# KiCad board fercus-right.kicad_pcb (continued)
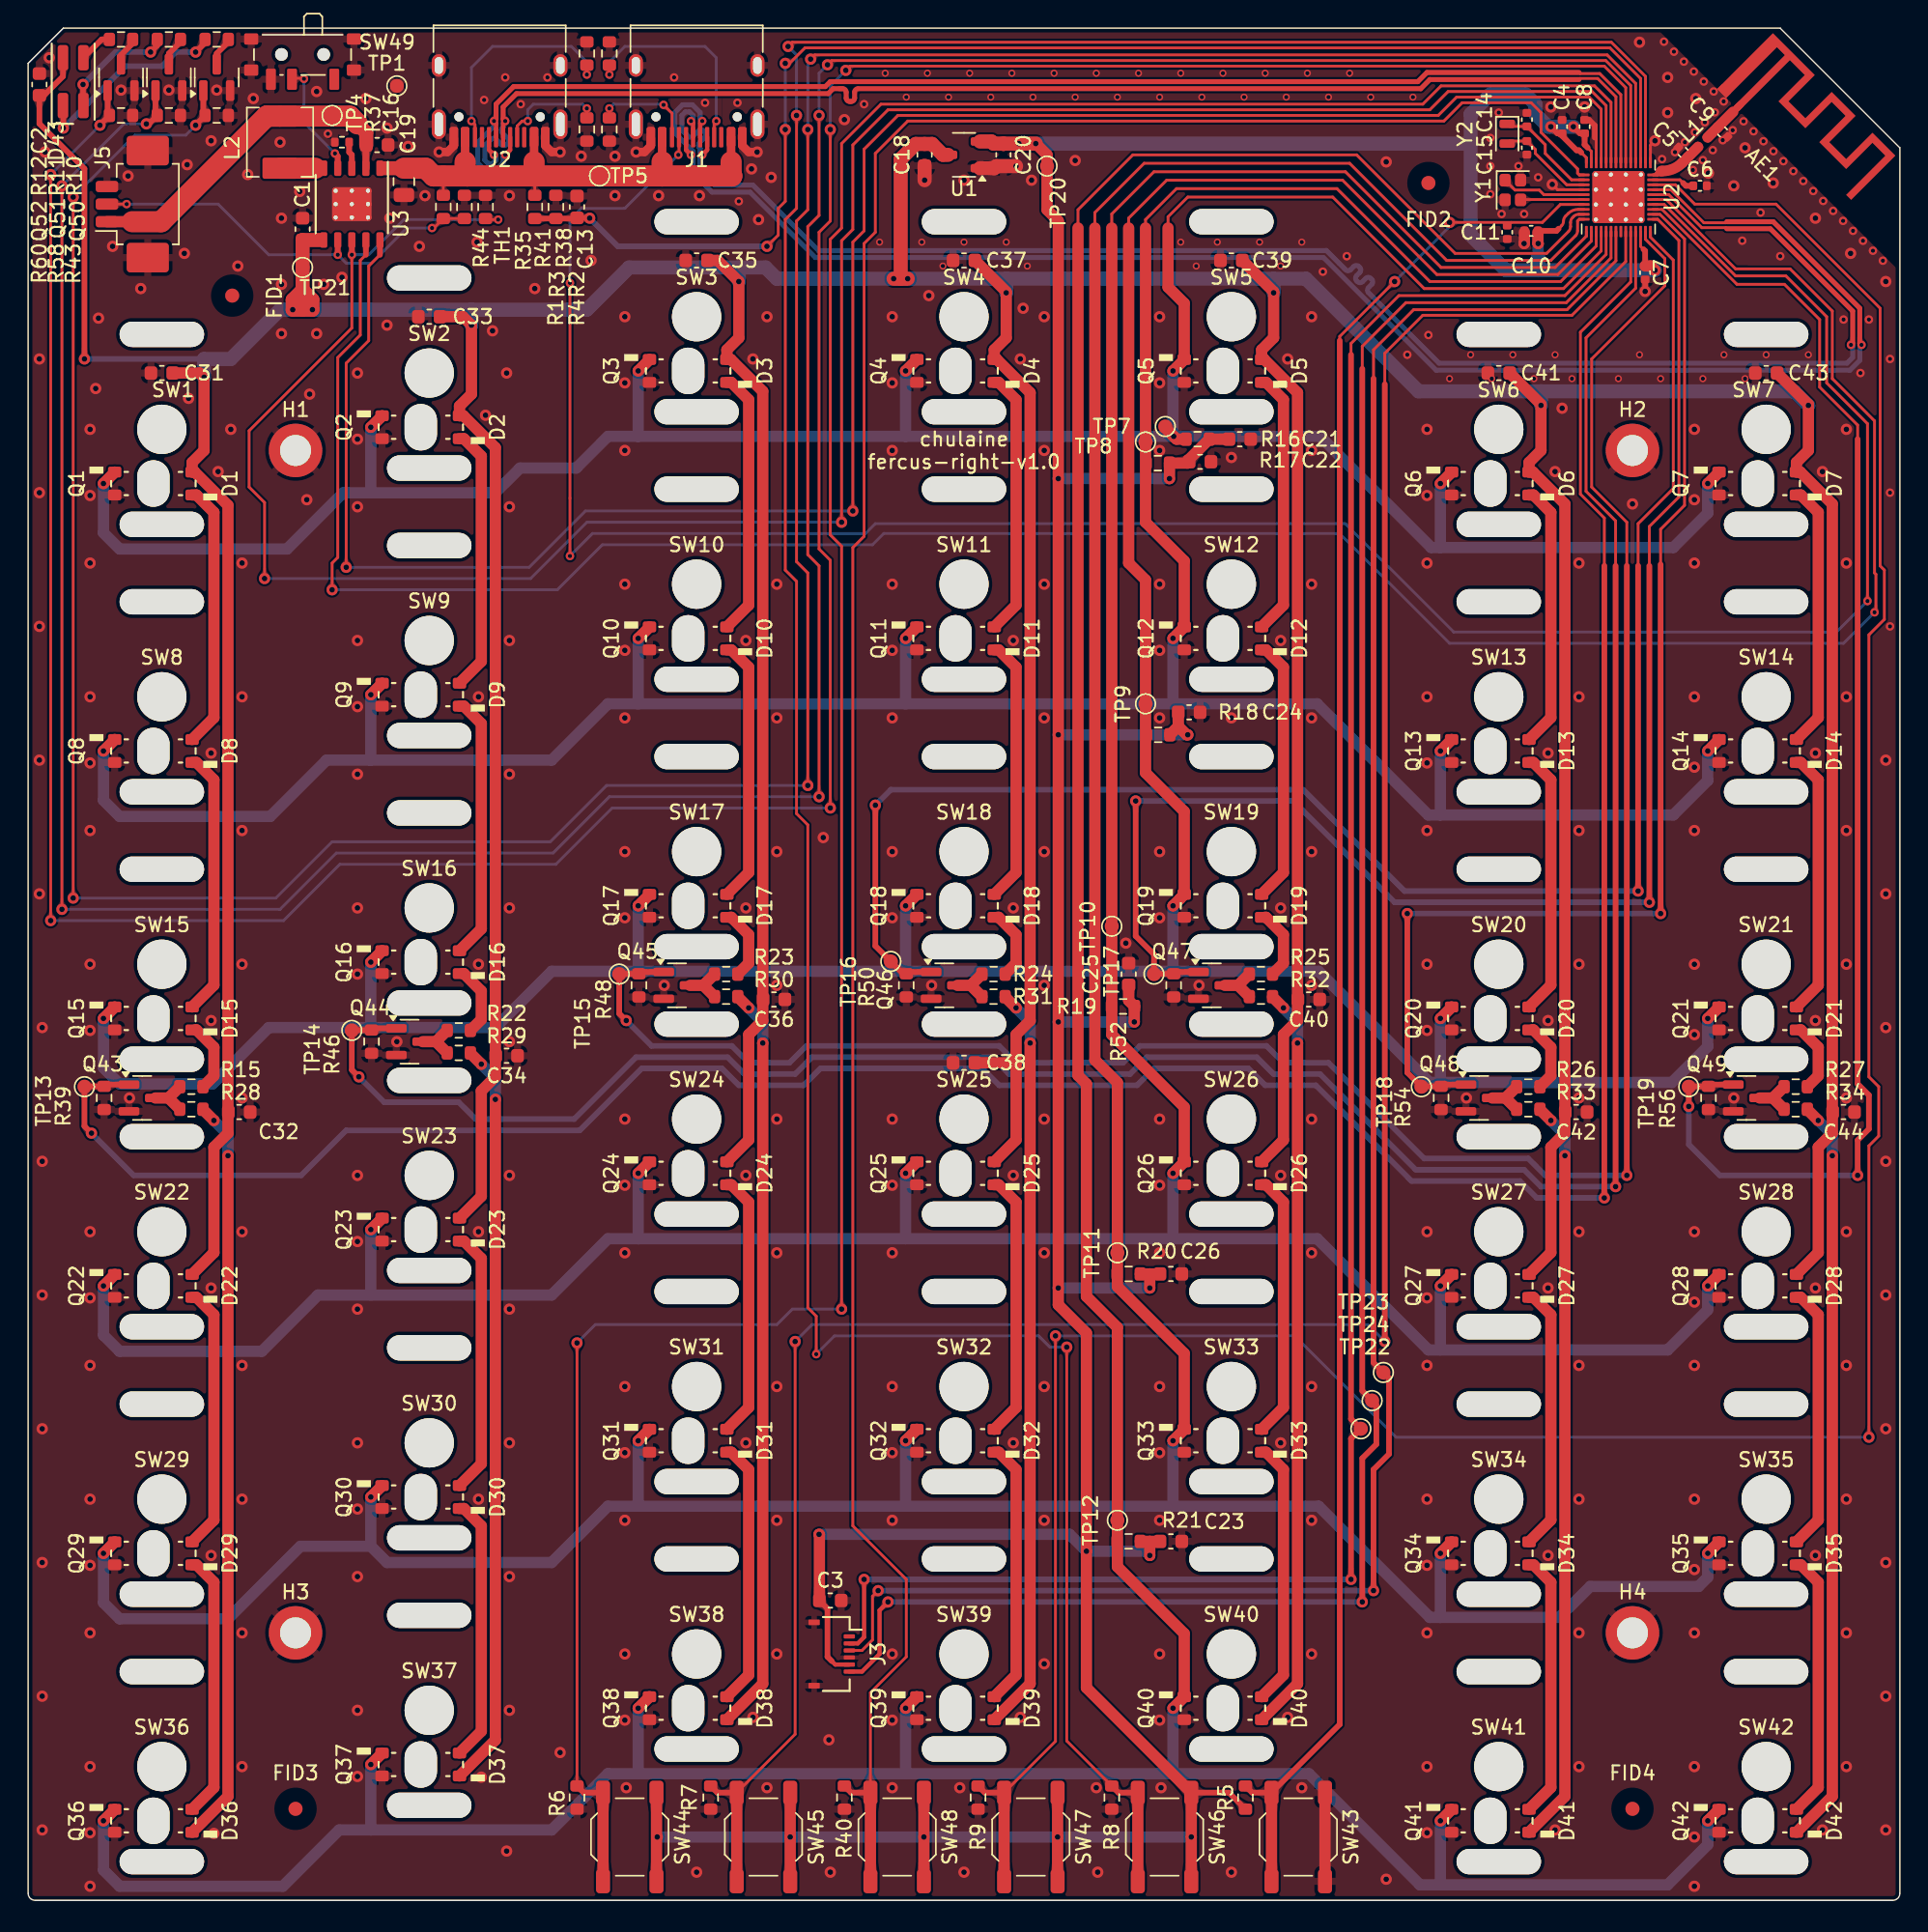
[diagram p0: board, top side]
## Routing (per net, layer and track width the routed paths; a pad name or vN(x,y) marks a point on that pad's centre or on a via; arc(x,y) is an arc through that point) (continued)
+BATT: length 24.6
  Top w0.5: C16.1 24,124.67 U3.2
  Top w0.8: 7.4,119.25 J5.1
  Top w1: 23.4,126.2 24.02,125.58 C16.1
  Top w1.5: 7.4,119.25 9.45,119.25 16.95,126.75 L2.1 22.85,126.75 23.4,126.2
/NTC: length 29.5
  Top w0.2: v2(28.7,118.8) 28.83,118.8 29.5,119.47 31,119.47 ; v2(7,120.5) J5.2
  Top w0.4: v2(22,116.9) U3.7
  Bottom w0.2: v2(28.7,118.8) 26.9,118.8 24.4,116.3 22.6,116.3 v2(22,116.9) 17.1,116.9 13.5,120.5 v2(7,120.5)
ANT: length 3.9
  Top w0.2: 116.05,122.85 115.78,122.58 U2.34
  Top w0.75: 116.05,122.85 116.12,122.85 arc(116.89,123) 117.54,123.44 C5.1 L1.1
BOOT0: length 204.2
  Top w0.2: U2.43 112.47,127.72 111.3,128.9 100.4,128.9 99.1,127.6 60.6,127.6 57.8,124.8 57.8,118.8 57,118 57,97 57.8,96.2 v1(57.8,42) ; v1(39,39.6) R6.1
  Top w0.4: SW44.2 39.48,7.65 R6.1
  Top w0.8: SW44.2 SW44.2
  Bottom w0.2: v1(39,39.6) 40.3,40.9 53.2,40.9 54.3,42 v1(57.8,42)
BOOT1: length 177.2
  Top w0.2: SW45.2 54.5,11.8 v1(54.5,39.7) ; 96.4,107.7 96.4,109.9 99.1,112.6 109.7,112.6 113.53,116.42 U2.19
  Top w0.4: R7.1 48.97,7.65 SW45.2 ; v1(96.4,39.7) 96.4,107.7
  Top w0.8: SW45.2 SW45.2
  Bottom w0.2: v1(54.5,39.7) 55.7,40.9 95.2,40.9 v1(96.4,39.7)
ETA-DISCHRG: length 146
  Top w0.2: v1(22.6,94.7) 22.6,109.2 24.2,110.8 24.2,116.1 25,116.9 ; v1(58.6,98.7) 58.6,117.8 59.4,118.6 59.4,124.4 61.8,126.8 100.2,126.8 101.5,128.1 110.93,128.1 111.78,127.25 U2.45
  Top w0.4: 25,116.9 U3.10
  Bottom w0.2: v1(22.6,94.7) 35.6,94.7 39.6,98.7 v1(58.6,98.7)
ETA-ENBST: length 8.2
  Top w0.2: v2(19.6,129.4) 19.56,129.44 18.75,129.44
  Top w0.4: v2(21.8,124.1) 22,123.9 U3.4
  Bottom w0.2: v2(19.6,129.4) 19.6,126.3 v2(21.8,124.1)
ETA-PULSE: length 169.2
  Top w0.2: 32.5,119.42 32.52,119.4 v2(33.4,119.4) ; v1(57.8,97.9) 57.8,117.9 58.6,118.7 58.6,124.7 61.1,127.2 99.6,127.2 100.9,128.5 111.12,128.5 112.12,127.5 U2.44 ; v1(16.8,93.9) 16.8,99.3 15.7,100.4 15.7,104.4 23,111.7 v2(23,116.9)
  Top w0.4: U3.8 v2(23,116.9)
  Bottom w0.2: v1(57.8,97.9) 39.7,97.9 35.7,93.9 v1(16.8,93.9) ; v2(33.4,119.4) 26.7,119.4 24.2,116.9 v2(23,116.9)
ETA-STAT: length 180
  Top w0.2: v2(131.2,91.5) 131.3,91.6 131.3,94.2 131.2,94.3 131.2,105.1 128.2,108.1 128.2,112.9 125.2,115.9 121.32,115.9 116.4,120.83 U2.29 ; 24,116.9 23.6,116.5 23.6,111.2 22,109.6 22,95.4 21.6,95 v1(21.6,93.1)
  Top w0.4: U3.9 24,116.9
  Bottom w0.2: v1(21.6,93.1) 37.6,93.1 40.8,96.3 60,96.3 60.8,97.1 93.2,97.1 101,89.3 129,89.3 v2(131.2,91.5)
joystick_a1: length 150.7
  Top w0.2: U2.15 112.12,116.92 109.2,114 97.4,114 94,110.6 94,109.8
  Top w0.3: v1(59.4,22.8) 59.4,18.7 58.95,18.25 J3.2
  Top w0.4: 94,109.8 94,34.2 TP22.1 94,32.8 v1(94,22.8)
  Bottom w0.4: v1(94,22.8) v1(59.4,22.8)
joystick_a2: length 152.5
  Top w0.2: U2.16 112.47,116.67 109.3,113.5 97.9,113.5 94.8,110.4 94.8,108.8
  Top w0.3: J3.6 59.25,16.25 60.5,17.5 60.5,20.6 v1(61.1,21.2)
  Top w0.4: 94.8,108.8 94.8,36.2 95.8,35.2 95.8,32.4 94.8,31.4 v1(94.8,21.2)
  Bottom w0.4: v1(94.8,21.2) v1(61.1,21.2)
joystick_sw: length 151.8
  Top w0.2: U2.17 112.82,116.47 109.35,113 98.45,113 95.6,110.15 95.6,108.1 ; J3.3 59.25,17.75 60,18.5 60,21.6 v1(60.4,22)
  Top w0.4: 95.6,108.1 95.6,38.2 TP23.1 96.7,37.1 96.7,31.7 95.6,30.6 v1(95.6,22)
  Bottom w0.4: v1(95.6,22) v1(60.4,22)
key_col0: length 195.2
  Top w0.2: U2.20 113.88,114.97 110.3,111.4 110.3,99.9 112,98.2 112,94.8
  Top w0.4: Q43.1 5.45,57.95 5.4,57.9 ; v1(4.5,54.5) 4,55 TP13.1 4.02,57.83 R39.1 ; v1(112,49.9) 112,94.8
  Bottom w0.4: v1(4.5,54.5) 7.5,51.5 19.4,51.5 22.6,54.7 39.2,54.7 43.6,59.1 49.3,59.1 50.5,57.9 55.1,57.9 56.3,59.1 67.8,59.1 69,57.9 78.8,57.9 80,59.1 86.7,59.1 87.9,57.9 91.5,57.9 98.3,51.1 106,51.1 107.2,49.9 v1(112,49.9)
key_col1: length 175
  Top w0.2: U2.21 114.22,114.53 110.7,111 110.7,100.1 112.8,98 112.8,94.8
  Top w0.4: v1(112.8,50.7) 112.8,94.8 ; 24.4,61.9 24.45,61.95 Q44.1 ; v1(23.5,58.5) 23,59 TP14.1 23.02,61.83 R46.1
  Bottom w0.4: v1(23.5,58.5) 25.3,56.7 30.6,56.7 31.8,55.5 38.8,55.5 43.2,59.9 49.7,59.9 50.9,58.7 54.5,58.7 55.7,59.9 68.5,59.9 69.7,58.7 78.3,58.7 79.5,59.9 87.3,59.9 88.5,58.7 91.8,58.7 98.6,51.9 106.3,51.9 107.5,50.7 v1(112.8,50.7)
key_col2: length 155.2
  Top w0.2: U2.23 114.93,118 116.3,116.62 116.3,114.7 111.1,109.5 111.1,100.4 113.6,97.9 113.6,94.8
  Top w0.4: v1(113.6,51.5) 113.6,94.8 ; 43.4,65.9 43.45,65.95 Q45.1 ; v1(42.5,62.5) 42,63 TP15.1 42.02,65.83 R48.1
  Bottom w0.4: v1(42.5,62.5) 44.3,60.7 50,60.7 51.2,59.5 54.1,59.5 55.3,60.7 69,60.7 70.2,59.5 77.8,59.5 79,60.7 88,60.7 89.2,59.5 92.4,59.5 99.2,52.7 106.6,52.7 107.8,51.5 v1(113.6,51.5)
key_col3: length 121
  Top w0.2: U2.24 115.28,118.15 116.9,116.53 116.9,100.3 114.4,97.8 114.4,94.8
  Top w0.4: v1(114.4,71.7) 114.4,94.8 ; R50.1 62.17,65.83 TP16.1 60.2,67.8 v1(60.2,77.8) ; Q46.1 62.45,65.95 62.4,65.9
  Bottom w0.4: v1(114.4,71.7) 97.8,71.7 90.6,78.9 61.3,78.9 v1(60.2,77.8)
key_col4: length 105.9
  Top w0.2: U2.25 115.79,119.42 117.3,117.92 117.3,99.7 115.2,97.6 115.2,94.8
  Top w0.4: R52.1 80.03,65.83 TP17.1 80,67.2 78.7,68.5 v1(78.7,78.1) ; v1(115.2,70.9) 115.2,94.8 ; Q47.1 81.45,65.95 81.4,65.9
  Bottom w0.4: v1(78.7,78.1) 89.9,78.1 97.1,70.9 v1(115.2,70.9)
key_col5: length 85.5
  Top w0.2: U2.26 115.95,119.78 117.7,118.03 117.7,99.1 116,97.4 116,94.9
  Top w0.4: Q48.1 100.53,57.95 R54.1 99.03,57.83 TP18.1 98,58.8 v1(98,70.1) ; v1(116,70.1) 116,94.9
  Bottom w0.4: v1(98,70.1) v1(116,70.1)
key_col6: length 97.9
  Top w0.2: 130,103.8 130,104.8 127.3,107.5 127.3,112.3 124.8,114.8 121.43,114.8 116.1,120.12 U2.27
  Top w0.4: Q49.1 119.53,57.95 R56.1 118.03,57.83 TP19.1 v1(118,56.4) ; 130,103.8 130,58 130.8,57.2 130.8,54.8 130,54 v1(130,51.5)
  Bottom w0.4: v1(130,51.5) 120.2,51.5 118,53.7 v1(118,56.4)
key_fn0: length 222.1
  Top w0.2: v1(54,131.7) 54.3,132 112.5,132 114.93,129.57 U2.36 ; v2(56,38.8) 56,41.5 55.4,42.1 55.4,76.4 54.6,77.2 54.6,93.7 53.8,94.5 53.8,119.4 54.6,120.2 v1(54.6,126.8) ; v1(73.8,39.3) 73.8,11.32 R8.1
  Top w0.4: SW46.2 77.47,7.65 R8.1
  Top w0.8: SW46.2 SW46.2
  Bottom w0.2: v1(54.6,126.8) 54.6,131.1 v1(54,131.7) ; v1(73.8,39.3) 72.6,39.3 71.8,40.1 57.3,40.1 v2(56,38.8)
key_fn1: length 204.2
  Top w0.2: v1(73,40.1) 73,11.3 SW47.2 ; U2.32 117.05,121.88 118.43,120.5 124.2,120.5 131.6,113.1 131.6,94.8 131.9,94.5 131.9,91 130.8,89.9 130.8,58.5 131.5,57.8 131.5,54.3 130.8,53.6 v1(130.8,32.9)
  Top w0.4: R9.1 67.97,7.65 SW47.2
  Top w0.8: SW47.2 SW47.2
  Bottom w0.2: v1(130.8,32.9) 97.2,32.9 90,40.1 v1(73,40.1)
key_fn2: length 183
  Top w0.2: SW48.2 59.85,14.75 62.4,17.3 62.4,22.8 58.6,26.6 58.6,96.1 59.4,96.9 59.4,117.7 60.2,118.5 60.2,124.1 62.5,126.4 100.6,126.4 101.9,127.7 106.8,127.7 107.5,127 107.5,125.6 110.1,123 110.1,122.7 110.22,122.58 U2.1
  Top w0.4: SW48.2 58.47,7.65 R40.1
  Top w0.8: SW48.2 SW48.2
key_row0: length 207.9
  Top w0.2: U2.14 111.78,117.17 109.1,114.5 99.2,114.5 92.7,121 82.4,121 81,119.6 81,118.8
  Top w0.8: v1(5.35,100.65) 6.15,101.45 Q1.2 ; Q3.2 44.15,109.45 v1(43.35,108.65) ; v1(100.35,100.65) 101.15,101.45 Q6.2 ; v1(62.35,108.65) 63.15,109.45 Q4.2 ; 81,118.8 81,114.6 82.15,113.45 Q5.2 82.15,109.45 v1(81.35,108.65) ; v1(24.35,104.65) 25.15,105.45 Q2.2 ; v1(119.35,100.65) 120.15,101.45 Q7.2 ; TP7.1 80.8,104.6 v1(81.4,104) 81.6,103.8 82.28,103.8
  Bottom w0.8: v1(62.35,108.65) 62.35,104 ; 62.35,104 81.35,104 ; 62.35,104 43.35,104 ; 81.35,104 91.8,104 99.7,96.1 100.35,96.1 ; 81.35,104 v1(81.35,108.65) ; 100.35,96.1 116.9,96.1 119.35,98.55 v1(119.35,100.65) ; 100.35,96.1 v1(100.35,100.65) ; v1(24.35,104.65) 24.35,100 ; 24.35,100 33.2,100 34.95,101.75 38.95,101.75 41.2,104 43.35,104 ; 24.35,100 22.4,100 18.4,96 6.5,96 5.35,97.15 v1(5.35,100.65) ; 43.35,104 v1(43.35,108.65)
key_row1: length 226.7
  Top w0.2: U2.13 111.43,117.53 108.9,115 99.6,115 93,121.6 81.6,121.6 79.4,119.4 79.4,118.8
  Top w0.8: Q10.2 44.15,90.45 v1(43.35,89.65) ; v1(100.35,81.65) 101.15,82.45 Q13.2 ; Q11.2 63.15,90.45 v1(62.35,89.65) ; Q8.2 6.15,82.45 v1(5.35,81.65) ; 79.4,118.8 79.4,97.9 82.15,95.15 Q12.2 82.15,90.45 v1(81.35,89.65) ; Q14.2 120.15,82.45 v1(119.35,81.65) ; v1(24.35,85.65) 25.15,86.45 Q9.2
  Bottom w0.8: v1(24.35,85.65) 24.35,81 ; 24.35,81 37.2,81 41.2,85 43.35,85 ; 24.35,81 21.2,81 17.2,77 6.5,77 5.35,78.15 v1(5.35,81.65) ; 43.35,85 62.35,85 ; 43.35,85 v1(43.35,89.65) ; v1(100.35,81.65) 100.35,77.1 ; 100.35,77.1 116.9,77.1 119.35,79.55 v1(119.35,81.65) ; 100.35,77.1 99.5,77.1 91.6,85 81.35,85 ; 62.35,85 81.35,85 ; 62.35,85 v1(62.35,89.65) ; 81.35,85 v1(81.35,89.65)
key_row2: length 246.9
  Top w0.2: U2.12 111.07,117.88 108.7,115.5 100.1,115.5 93.4,122.2 80.9,122.2 78.2,119.5 78.2,118.8
  Top w0.8: Q20.2 101.15,63.45 v1(100.35,62.65) ; v1(43.35,70.65) 44.15,71.45 Q17.2 ; v1(5.35,62.65) 6.15,63.45 Q15.2 ; v1(119.35,62.65) 120.15,63.45 Q21.2 ; v1(24.35,66.65) 25.15,67.45 Q16.2 ; 78.2,118.8 78.2,95 79.4,93.8 79.4,80.1 82.15,77.35 Q19.2 82.15,71.45 v1(81.35,70.65) ; v1(62.35,70.65) 63.15,71.45 Q18.2
  Bottom w0.8: v1(24.35,66.65) 24.35,62 ; 24.35,62 17.1,62 13.1,58 6.5,58 5.35,59.15 v1(5.35,62.65) ; 24.35,62 33.2,62 37.2,66 43.35,66 ; 62.35,66 43.35,66 ; 62.35,66 81.35,66 ; 62.35,66 v1(62.35,70.65) ; 43.35,66 v1(43.35,70.65) ; 81.35,66 v1(81.35,70.65) ; 81.35,66 91.7,66 99.6,58.1 100.35,58.1 ; 100.35,58.1 116.8,58.1 119.35,60.65 v1(119.35,62.65) ; 100.35,58.1 v1(100.35,62.65)
key_row3: length 267.1
  Top w0.2: U2.11 110.72,118.22 108.5,116 100.4,116 93.6,122.8 80,122.8 77,119.8 77,118.8
  Top w0.8: v1(43.35,51.65) 44.15,52.45 Q24.2 ; Q28.2 120.15,44.45 v1(119.35,43.65) ; Q25.2 63.15,52.45 v1(62.35,51.65) ; v1(100.35,43.65) 101.15,44.45 Q27.2 ; v1(5.35,43.65) 6.15,44.45 Q22.2 ; v1(81.35,51.65) 82.15,52.45 Q26.2 82.15,56.35 77,61.5 77,118.8 ; v1(24.35,47.65) 25.15,48.45 Q23.2
  Bottom w0.8: v1(62.35,51.65) 62.35,47 ; 62.35,47 43.35,47 ; 62.35,47 81.35,47 ; v1(119.35,43.65) 119.35,41.95 116.5,39.1 100.35,39.1 ; v1(43.35,51.65) 43.35,47 ; 43.35,47 41.2,47 37.2,43 24.35,43 ; 100.35,39.1 99.5,39.1 91.6,47 81.35,47 ; 100.35,39.1 v1(100.35,43.65) ; 24.35,43 20.6,43 16.6,39 6.5,39 5.35,40.15 v1(5.35,43.65) ; 24.35,43 v1(24.35,47.65) ; v1(81.35,51.65) 81.35,47
key_row4: length 288.3
  Top w0.2: U2.10 110.22,119.42 110.1,119.3 110.1,118.61 arc(110.06,118.42) 109.95,118.25 108.2,116.5 100.8,116.5 93.9,123.4 79.3,123.4 75.8,119.9 75.8,118.8
  Top w0.8: Q30.2 25.15,29.45 v1(24.35,28.65) ; v1(119.35,24.65) 120.15,25.45 Q35.2 ; v1(100.35,24.65) 101.15,25.45 Q34.2 ; v1(62.35,32.65) 63.15,33.45 Q32.2 ; Q29.2 6.15,25.45 v1(5.35,24.65) ; v1(43.35,32.65) 44.15,33.45 Q31.2 ; v1(81.35,32.65) 82.15,33.45 Q33.2 82.15,38.85 77.4,43.6 77.4,58.1 75.8,59.7 75.8,118.8
  Bottom w0.8: 100.35,20.1 108.8,20.1 111,22.3 118.7,22.3 119.35,22.95 v1(119.35,24.65) ; 100.35,20.1 99.6,20.1 91.7,28 81.35,28 ; 100.35,20.1 v1(100.35,24.65) ; 24.35,25.15 25.5,24 37.2,24 41.2,28 43.35,28 ; 24.35,25.15 19.35,25.15 14.2,20 6.5,20 5.35,21.15 v1(5.35,24.65) ; 24.35,25.15 v1(24.35,28.65) ; v1(62.35,32.65) 62.35,28 ; 62.35,28 43.35,28 ; 62.35,28 81.35,28 ; v1(43.35,32.65) 43.35,28 ; v1(81.35,32.65) 81.35,28
key_row5: length 309.3
  Top w0.2: U2.9 110.18,119.78 arc(109.99,119.74) 109.83,119.63 109.75,119.55 arc(109.64,119.38) 109.6,119.19 109.6,118.91 arc(109.56,118.72) 109.45,118.55 107.9,117 101.4,117 94.4,124 78.5,124 74.6,120.1 74.6,118.8
  Top w0.8: Q37.2 25.15,10.45 v1(24.35,9.65) ; v1(119.35,5.65) 120.15,6.45 Q42.2 ; Q36.2 6.15,6.45 v1(5.35,5.65) ; v1(62.35,13.65) 63.15,14.45 Q39.2 ; v1(81.35,13.65) 82.15,14.45 Q40.2 82.15,18.95 77.4,23.7 77.4,40.7 75.2,42.9 75.2,58 74.6,58.6 74.6,118.8 ; Q38.2 44.15,14.45 v1(43.35,13.65) ; v1(100.35,5.65) 101.15,6.45 Q41.2
  Bottom w0.8: v1(62.35,13.65) 62.35,9 ; 62.35,9 81.35,9 ; 62.35,9 43.35,9 ; 81.35,9 v1(81.35,13.65) ; 81.35,9 91,9 98.9,1.1 100.35,1.1 ; 43.35,9 41.2,9 37.2,5 24.35,5 ; 43.35,9 v1(43.35,13.65) ; v1(100.35,5.65) 100.35,1.1 ; 100.35,1.1 116.5,1.1 119.35,3.95 v1(119.35,5.65) ; 24.35,5 22.1,5 18.1,1 6.5,1 5.35,2.15 v1(5.35,5.65) ; 24.35,5 v1(24.35,9.65)
led_b: length 234.5
  Top w0.2: v1(58.1,130) 58.4,130.3 112,130.3 113.53,128.78 U2.40 ; v1(1.6,69.6) v1(1.6,122.6) ; v1(57,125.8) 57,119.3 56.2,118.5 56.2,96 57,95.2 v1(57,77.6)
  Top w0.4: Q52.1 5.65,126.92 R60.1 5.1,126.12 v1(5.1,126.1)
  Bottom w0.2: v1(58.1,130) 57,128.9 v1(57,125.8) ; v1(5.1,126.1) v1(1.6,122.6) ; v1(1.6,69.6) 18.15,69.6 22.15,73.6 37.5,73.6 41.5,77.6 v1(57,77.6)
led_g: length 235.5
  Top w0.2: v1(56.8,130.4) 57.1,130.7 112.1,130.7 113.88,128.93 U2.39 ; v1(56.2,78.4) 56.2,94.8 55.4,95.6 55.4,118.9 56.2,119.7 v1(56.2,126.8) ; v1(2.4,70.4) v1(2.4,121.8)
  Top w0.4: v1(8.4,126.2) 8.57,126.2 R58.1 9.05,126.92 Q51.1
  Bottom w0.2: v1(2.4,70.4) 17.9,70.4 21.9,74.4 37.3,74.4 41.3,78.4 v1(56.2,78.4) ; v1(2.4,121.8) 6.8,126.2 v1(8.4,126.2) ; v1(56.8,130.4) 56.2,129.8 v1(56.2,126.8)
led_r: length 236.5
  Top w0.2: U2.38 114.22,129.07 112.2,131.1 55.9,131.1 v1(55.6,130.8) ; v1(3.2,71.2) v1(3.2,121) ; v1(55.4,79.2) 55.4,94.3 54.6,95.1 54.6,119.3 55.4,120.1 v1(55.4,125.8)
  Top w0.4: v1(11.9,126.1) 11.9,126.12 12.58,126.8 12.45,126.92 Q50.1
  Bottom w0.2: v1(55.4,125.8) 55.4,130.6 v1(55.6,130.8) ; v1(11.9,126.1) 11.2,125.4 7.6,125.4 v1(3.2,121) ; v1(55.4,79.2) 41.1,79.2 37.1,75.2 21.6,75.2 17.6,71.2 v1(3.2,71.2)
NRST: length 135.2
  Top w0.2: v1(97.1,115) 93.2,111.1 93.2,110.8 ; v1(101,119.2) 107.6,119.2 108.88,120.47 U2.7
  Top w0.4: 93.2,110.8 93.2,12.5 SW43.2 86.97,7.65 R5.2
  Top w0.8: SW43.2 SW43.2
  Bottom w0.2: v1(97.1,115) 101,118.9 v1(101,119.2)
